# KiCad board SparkFun_GNSS_LG290P_panelized.kicad_pcb (continued)
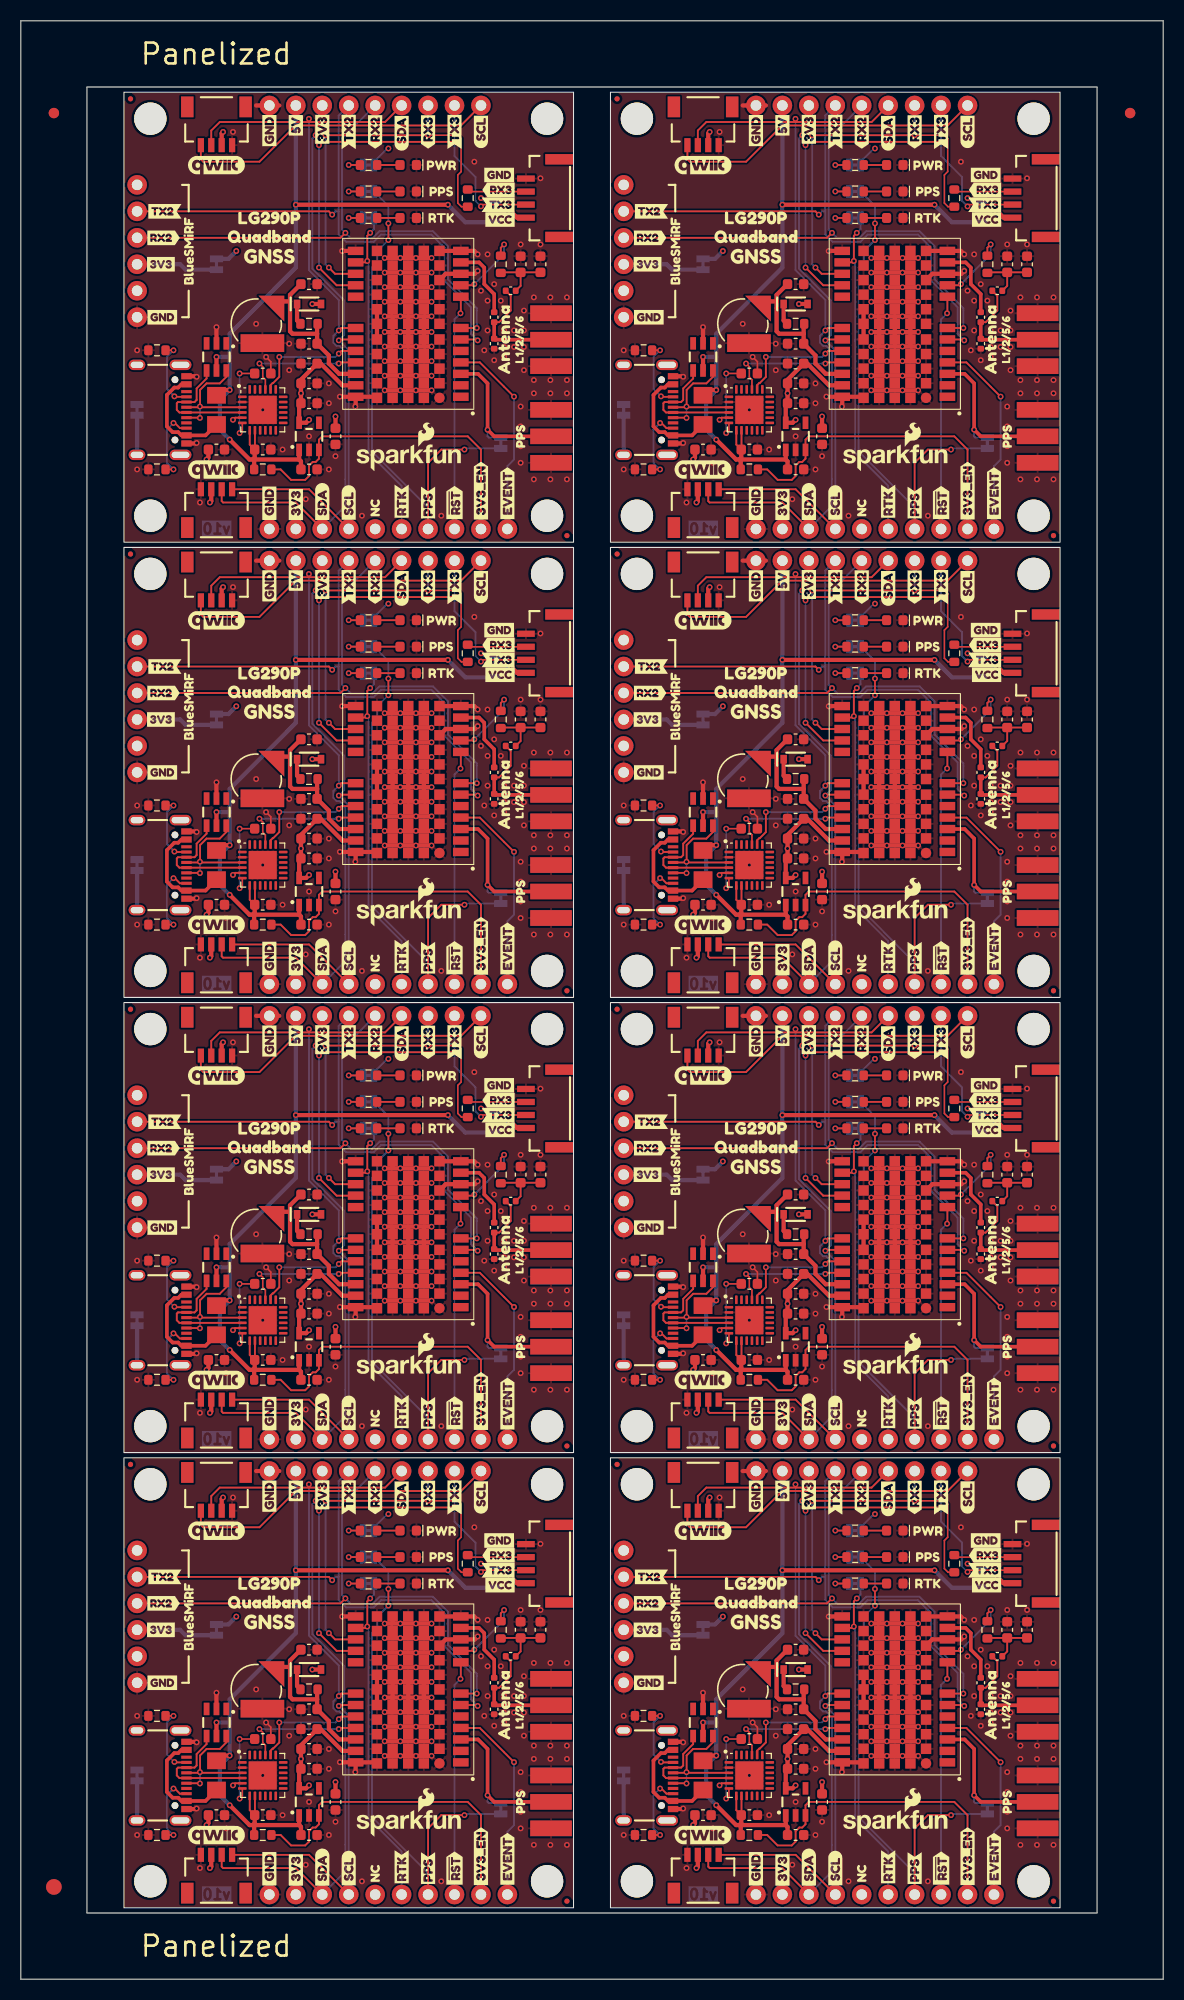
[diagram p0: board, top side]
## Routing (per net, layer and track width the routed paths; a pad name or vN(x,y) marks a point on that pad's centre or on a via; arc(x,y) is an arc through that point) (continued)
3V3_EN: length 256.6
  Top w0.178: J10#5.5 44.19,146.78 42.92,148.05 28.95,148.05 28.63,147.73 U2.3 28.63,145.91 28.31,145.59 28.03,145.59 27.68,145.24 27.68,144.24 27.31,143.87 25.95,143.87 24.95,144.88 R9.2 ; R9#2.2 71.68,13.84 72.68,12.83 74.04,12.83 74.41,13.2 74.41,14.2 74.76,14.55 75.04,14.55 75.36,14.87 U2#3.3 75.36,16.69 75.68,17.01 89.65,17.01 90.92,15.74 J10#2.5 ; R9#8.2 24.95,13.84 25.95,12.83 27.31,12.83 27.68,13.2 27.68,14.2 28.03,14.55 28.31,14.55 28.63,14.87 U2#8.3 28.63,16.69 28.95,17.01 42.92,17.01 44.19,15.74 J10#8.5 ; J10#7.5 44.19,103.1 42.92,104.37 28.95,104.37 28.63,104.05 U2#2.3 28.63,102.23 28.31,101.91 28.03,101.91 27.68,101.56 27.68,100.56 27.31,100.19 25.95,100.19 24.95,101.2 R9#5.2 ; J10#3.5 90.92,59.42 89.65,60.69 75.68,60.69 75.36,60.37 U2#6.3 75.36,58.55 75.04,58.23 74.76,58.23 74.41,57.88 74.41,56.88 74.04,56.51 72.68,56.51 71.68,57.52 R9#6.2 ; J10#6.5 44.19,59.42 42.92,60.69 28.95,60.69 28.63,60.37 U2#7.3 28.63,58.55 28.31,58.23 28.03,58.23 27.68,57.88 27.68,56.88 27.31,56.51 25.95,56.51 24.95,57.52 R9#4.2 ; R9#7.2 71.68,101.2 72.68,100.19 74.04,100.19 74.41,100.56 74.41,101.56 74.76,101.91 75.04,101.91 75.36,102.23 U2#4.3 75.36,104.05 75.68,104.37 89.65,104.37 90.92,103.1 J10.5 ; J10#4.5 90.92,146.78 89.65,148.05 75.68,148.05 75.36,147.73 U2#5.3 75.36,145.91 75.04,145.59 74.76,145.59 74.41,145.24 74.41,144.24 74.04,143.87 72.68,143.87 71.68,144.88 R9#3.2
5V: length 595.6
  Top w0.178: U4#6.8 22.48,103.12 C7.1 21.98,103.58 U4#6.7 ; U4#7.7 21.98,147.25 C7#6.1 22.48,146.81 U4#7.8 ; U4#8.7 21.98,16.22 C7#8.1 22.48,15.77 U4#8.8 ; U4#3.8 69.21,59.45 C7#5.1 68.71,59.89 U4#3.7 ; U4#5.8 69.21,103.12 C7#3.1 68.71,103.58 U4#5.7 ; U4#2.7 21.98,59.89 C7#2.1 22.48,59.45 U4#2.8 ; U4.8 69.21,15.77 C7#4.1 68.71,16.22 U4.7 ; U4#4.8 69.21,146.81 C7#7.1 68.71,147.25 U4#4.7
  Top w0.406: 22.28,14.79 22.41,14.66 22.41,13.84 ; 22.28,14.79 21.96,14.79 20.18,16.57 ; 22.28,14.79 26.73,14.79 ; 22.28,14.79 22.46,14.97 C7#8.1 ; F1#4.2 66.02,65.14 v1(66.79,65.14) ; 26.73,145.83 22.28,145.83 ; 26.73,145.83 26.9,145.65 C1#7.1 ; 26.73,145.83 26.73,145.83 U2.1 ; 22.28,145.83 22.46,146 C7#6.1 ; 22.28,145.83 21.96,145.83 20.18,147.61 ; 22.28,145.83 22.41,145.7 22.41,144.88 ; 22.41,57.52 22.41,58.34 22.28,58.47 ; 22.28,102.15 22.46,102.33 C7.1 ; 22.28,102.15 22.41,102.02 22.41,101.2 ; 22.28,102.15 26.73,102.15 ; 22.28,102.15 21.96,102.15 20.18,103.93 ; v1(66.79,108.81) 66.02,108.81 F1#6.2 ; F1#8.2 19.29,21.45 v1(20.06,21.45) ; 65.52,23.33 v1(65.52,24.63) ; 73.45,145.83 69.01,145.83 ; 73.45,145.83 73.46,145.83 73.46,146.75 ; 73.45,145.83 73.63,145.65 C1#2.1 ; 69.01,145.83 69.14,145.7 69.14,144.88 ; 69.01,145.83 68.69,145.83 66.91,147.61 ; 69.01,145.83 69.19,146 C7#7.1 ; 20.18,60.25 21.96,58.47 22.28,58.47 ; v1(26.41,126.59) v1(41.01,126.59) ; C7#5.1 69.19,58.64 69.01,58.47 ; 73.46,15.71 73.46,14.79 73.45,14.79 ; 26.73,58.47 22.28,58.47 ; 26.73,58.47 26.73,58.47 U2#7.1 ; 26.73,58.47 26.9,58.29 C1#5.1 ; 22.28,58.47 22.46,58.64 C7#2.1 ; C1.1 73.63,14.61 73.45,14.79 ; v1(20.06,65.14) 19.29,65.14 F1#3.2 ; C1#3.1 73.63,58.29 73.45,58.47 ; U1#2.5 v1(18.79,68.31) ; 73.46,103.07 73.46,102.15 73.45,102.15 ; F1.2 19.29,152.5 v1(20.06,152.5) ; 69.14,57.52 69.14,58.34 69.01,58.47 ; 73.45,14.79 69.01,14.79 ; U2#8.1 26.73,14.79 26.73,14.79 ; v1(73.14,82.92) v1(87.74,82.92) ; v1(26.41,170.28) v1(41.01,170.28) ; 69.01,102.15 69.19,102.33 C7#3.1 ; 69.01,102.15 73.45,102.15 ; 69.01,102.15 68.69,102.15 66.91,103.93 ; 69.01,102.15 69.14,102.02 69.14,101.2 ; 69.01,58.47 68.69,58.47 66.91,60.25 ; 69.01,58.47 73.45,58.47 ; 26.73,102.15 26.9,101.97 C1#6.1 ; 26.73,102.15 26.73,102.15 U2#2.1 ; v1(26.41,39.23) v1(41.01,39.23) ; v1(26.41,82.92) v1(41.01,82.92) ; F1#5.2 19.29,108.81 v1(20.06,108.81) ; 69.14,13.84 69.14,14.66 69.01,14.79 ; 26.73,14.79 26.9,14.61 C1#8.1 ; U1#6.5 v1(65.52,111.99) ; F1#7.2 66.02,152.5 v1(66.79,152.5) ; 73.45,102.15 73.63,101.97 C1#4.1 ; U1#7.5 v1(65.52,155.67) ; 73.45,58.47 73.46,58.47 73.46,59.39 ; F1#2.2 66.02,21.45 v1(66.79,21.45) ; 66.91,16.57 68.69,14.79 69.01,14.79 ; v1(73.14,39.23) v1(87.74,39.23) ; U1#3.5 v1(65.52,68.31) ; 69.01,14.79 69.19,14.97 C7#4.1 ; v1(73.14,170.28) v1(87.74,170.28) ; U1#4.5 v1(18.79,111.99) ; v1(73.14,126.59) v1(87.74,126.59) ; 18.79,23.33 v1(18.79,24.63) ; U1.5 v1(18.79,155.67)
  Bottom w0.406: 20.06,68.31 20.06,70.53 26.41,76.88 J6#2.8 ; 20.06,68.31 v1(18.79,68.31) ; 20.06,68.31 v1(20.06,65.14) 19.11,64.18 19.11,61.33 v1(20.06,60.37) ; v1(65.52,24.63) 66.79,24.63 ; 66.79,24.63 66.79,26.85 73.14,33.2 J6#6.8 ; 66.79,24.63 v1(66.79,21.45) 65.83,20.5 65.83,17.64 v1(66.79,16.69) ; v1(66.79,104.05) 65.83,105 65.83,107.86 v1(66.79,108.81) 66.79,111.99 ; v1(87.74,170.28) 89.42,168.6 JP4#8.3 ; v1(66.79,60.37) 65.83,61.33 65.83,64.18 v1(66.79,65.14) 66.79,68.31 ; v1(20.06,147.73) 19.11,148.69 19.11,151.54 v1(20.06,152.5) 20.06,155.67 ; v1(65.52,111.99) 66.79,111.99 ; 66.79,111.99 66.79,114.21 73.14,120.56 J6#7.8 ; 20.06,111.99 20.06,114.21 26.41,120.56 J6#8.8 ; 20.06,111.99 v1(20.06,108.81) 19.11,107.86 19.11,105 v1(20.06,104.05) ; 20.06,111.99 v1(18.79,111.99) ; v1(66.79,147.73) 65.83,148.69 65.83,151.54 v1(66.79,152.5) 66.79,155.67 ; v1(87.74,126.59) 89.42,124.92 JP4#6.3 ; 20.06,24.63 v1(20.06,21.45) 19.11,20.5 19.11,17.64 v1(20.06,16.69) ; 20.06,24.63 v1(18.79,24.63) ; 20.06,24.63 20.06,26.85 26.41,33.2 J6.8 ; JP4#4.3 42.69,168.6 v1(41.01,170.28) ; v1(65.52,68.31) 66.79,68.31 ; 66.79,68.31 66.79,70.53 73.14,76.88 J6#3.8 ; JP4.3 42.69,37.56 v1(41.01,39.23) ; JP4#7.3 89.42,81.24 v1(87.74,82.92) ; 20.06,155.67 20.06,157.89 26.41,164.24 J6#4.8 ; 20.06,155.67 v1(18.79,155.67) ; v1(65.52,155.67) 66.79,155.67 ; 66.79,155.67 66.79,157.89 73.14,164.24 J6#5.8 ; v1(87.74,39.23) 89.42,37.56 JP4#5.3 ; JP4#2.3 42.69,81.24 v1(41.01,82.92) ; JP4#3.3 42.69,124.92 v1(41.01,126.59)
GND: length 631.7
  Top w0.152: v1(23.55,24.63) 24.01,24.17 C10#5.1 ; 70.74,23.04 70.74,24.17 v1(70.28,24.63) ; C10#2.1 24.01,111.53 v1(23.55,111.99) ; C10.1 24.01,67.85 v1(23.55,68.31) ; v1(70.28,68.31) 70.74,67.85 70.74,66.72 ; C10#3.1 24.01,155.21 v1(23.55,155.67) ; 70.74,154.08 70.74,155.21 v1(70.28,155.67) ; 70.74,110.4 70.74,111.53 v1(70.28,111.99)
  Top w0.406: 82.43,158.15 82.34,158.06 ; 82.43,158.15 U3#2.25 82.43,159.48 82.34,159.56 ; 82.43,158.15 U3#2.25 82.43,156.75 82.34,156.67 ; 82.34,158.06 v1(81.67,158.06) ; 82.34,158.06 v1(83.17,158.06) 83.93,158.06 ; 85.52,28.53 v1(86.17,28.53) ; 85.52,28.53 v1(84.67,28.53) 83.93,28.53 ; 85.52,28.53 85.43,28.44 U3#5.25 85.43,27.11 ; 35.62,112.98 v1(36.44,112.98) 37.2,112.98 ; 35.62,112.98 35.7,113.07 U3#6.25 35.7,114.47 ; 35.62,112.98 v1(34.94,112.98) ; v1(39.44,29.92) v1(37.94,29.92) v1(36.44,29.92) v1(34.94,29.92) ; v1(81.67,77.81) 82.34,77.81 ; 82.34,77.81 v1(83.17,77.81) v1(84.67,77.81) v1(86.17,77.81) ; 82.34,77.81 82.43,77.89 U3#7.25 ; 82.34,27.03 v1(83.17,27.03) 83.93,27.03 ; 82.34,27.03 82.43,27.11 ; 82.34,27.03 v1(81.67,27.03) ; v1(39.44,21.42) v1(37.94,21.42) v1(36.44,21.42) v1(34.94,21.42) ; 38.79,114.39 v1(37.94,114.39) 37.2,114.39 ; 38.79,114.39 38.7,114.47 ; 38.79,114.39 v1(39.44,114.39) ; v1(30.85,122.15) 30.87,122.17 U3#6.13 ; v1(86.17,67.91) v1(84.67,67.91) v1(83.17,67.91) v1(81.67,67.91) ; 38.79,159.56 38.7,159.48 U3#3.25 38.7,158.15 ; 38.79,159.56 v1(37.94,159.56) 37.2,159.56 ; 38.79,159.56 v1(39.44,159.56) ; v1(43.87,121.83) 43.54,122.17 U3#6.12 U3#6.25 ; 83.93,115.89 v1(84.67,115.89) 85.52,115.89 ; 83.93,115.89 U3#4.25 83.93,114.39 ; 83.93,115.89 v1(83.17,115.89) 82.34,115.89 ; 82.34,115.89 82.43,115.8 U3#4.25 82.43,114.47 ; 82.34,115.89 v1(81.67,115.89) ; 35.7,114.47 U3#6.25 35.7,115.8 35.62,115.89 ; 35.7,114.47 35.62,114.39 ; 85.43,70.79 85.52,70.71 ; 85.43,70.79 U3#7.25 85.43,72.12 85.52,72.21 ; 85.43,70.79 U3#7.25 85.43,69.39 85.52,69.31 ; 85.52,70.71 v1(86.17,70.71) ; 85.52,70.71 v1(84.67,70.71) 83.93,70.71 ; 37.2,27.03 v1(36.44,27.03) 35.62,27.03 ; 37.2,27.03 U3#8.25 37.2,28.53 ; 37.2,27.03 U3#8.25 37.2,25.62 ; 37.2,27.03 v1(37.94,27.03) 38.79,27.03 ; v1(77.36,20.82) 77.38,20.81 U3#5.24 ; v1(81.67,120.09) v1(83.17,120.09) v1(84.67,120.09) v1(86.17,120.09) ; 35.7,158.15 U3#3.25 35.7,156.75 35.62,156.67 ; 35.7,158.15 35.62,158.06 ; 35.7,158.15 U3#3.25 35.7,159.48 35.62,159.56 ; v1(39.44,152.47) v1(37.94,152.47) v1(36.44,152.47) v1(34.94,152.47) ; v1(39.44,153.87) v1(37.94,153.87) v1(36.44,153.87) v1(34.94,153.87) ; 35.62,115.89 v1(36.44,115.89) 37.2,115.89 ; 35.62,115.89 v1(34.94,115.89) ; v1(90.6,163.93) 90.32,163.65 U3#2.10 87.53,163.65 U3#2.25 ; v1(90.6,32.89) 90.32,32.61 U3#5.10 87.53,32.61 U3#5.25 ; U1#3.2 v1(65.52,71.17) ; 22.6,136.12 J6#8.9 24.82,136.12 ; U3#3.24 34.1,151.84 U3#3.25 ; U3#3.24 32.15,150.94 v1(32.12,150.91) ; U3#3.24 30.65,151.84 v1(30.64,151.86) ; 37.2,28.53 v1(36.44,28.53) 35.62,28.53 ; 37.2,28.53 v1(37.94,28.53) 38.79,28.53 ; 83.93,72.21 U3#7.25 83.93,70.71 ; 83.93,72.21 v1(83.17,72.21) 82.34,72.21 ; 83.93,72.21 v1(84.67,72.21) 85.52,72.21 ; v1(86.17,110.19) v1(84.67,110.19) v1(83.17,110.19) v1(81.67,110.19) ; 37.2,25.62 v1(37.94,25.62) 38.79,25.62 ; 37.2,25.62 v1(36.44,25.62) 35.62,25.62 ; v1(39.44,76.41) v1(37.94,76.41) v1(36.44,76.41) v1(34.94,76.41) ; 83.93,156.67 U3#2.25 83.93,158.06 ; 83.93,156.67 v1(84.67,156.67) 85.52,156.67 ; 83.93,156.67 v1(83.17,156.67) 82.34,156.67 ; U3#5.24 80.83,20.81 U3#5.25 ; U3#5.24 78.88,19.9 v1(78.85,19.87) ; 37.2,112.98 U3#6.25 37.2,114.39 ; 37.2,112.98 v1(37.94,112.98) 38.79,112.98 ; v1(34.94,22.83) v1(36.44,22.83) v1(37.94,22.83) v1(39.44,22.83) ; 85.52,112.98 85.43,113.07 U3#4.25 85.43,114.47 ; 85.52,112.98 v1(86.17,112.98) ; 85.52,112.98 v1(84.67,112.98) 83.93,112.98 ; v1(16.88,153.77) 16.83,153.81 J1#6.GND ; v1(34.94,31.33) v1(36.44,31.33) v1(37.94,31.33) v1(39.44,31.33) ; 69.33,48.76 J6#6.9 71.55,48.76 ; 37.2,114.39 v1(36.44,114.39) 35.62,114.39 ; 37.2,114.39 U3#6.25 37.2,115.89 ; 83.93,28.53 U3#5.25 83.93,27.03 ; 83.93,28.53 v1(83.17,28.53) 82.34,28.53 ; v1(16.88,60.06) 16.83,60.01 J1#2.GND ; v1(34.94,121.48) 35.62,121.48 ; 35.62,121.48 v1(36.44,121.48) v1(37.94,121.48) v1(39.44,121.48) ; 35.62,121.48 35.7,121.57 U3#6.25 ; J1#3.GND 63.56,66.46 v1(63.61,66.41) ; 71.55,136.12 J6#7.9 69.33,136.12 ; U3#6.24 32.15,107.26 v1(32.12,107.23) ; U3#6.24 30.65,108.17 v1(30.64,108.18) ; U3#6.24 34.1,108.17 U3#6.25 ; v1(39.44,120.09) v1(37.94,120.09) v1(36.44,120.09) v1(34.94,120.09) ; U3.25 35.7,77.89 35.62,77.81 ; U3#4.25 82.43,121.57 82.34,121.48 ; 38.7,114.47 U3#6.25 38.7,115.8 38.79,115.89 ; 38.7,114.47 U3#6.25 38.7,113.07 38.79,112.98 ; v1(86.17,65.11) v1(84.67,65.11) v1(83.17,65.11) v1(81.67,65.11) ; 37.2,159.56 U3#3.25 37.2,158.06 ; 37.2,159.56 v1(36.44,159.56) 35.62,159.56 ; 85.52,159.56 85.43,159.48 U3#2.25 85.43,158.15 ; 85.52,159.56 v1(86.17,159.56) ; 85.52,159.56 v1(84.67,159.56) 83.93,159.56 ; 35.62,72.21 v1(36.44,72.21) 37.2,72.21 ; 35.62,72.21 35.7,72.12 U3.25 35.7,70.79 ; 35.62,72.21 v1(34.94,72.21) ; 83.93,70.71 U3#7.25 83.93,69.31 ; 83.93,70.71 v1(83.17,70.71) 82.34,70.71 ; v1(90.6,120.25) 90.32,119.97 U3#4.10 87.53,119.97 U3#4.25 ; 82.34,112.98 82.43,113.07 U3#4.25 82.43,114.47 ; 82.34,112.98 v1(81.67,112.98) ; 82.34,112.98 v1(83.17,112.98) 83.93,112.98 ; U3#2.25 U3#2.25 U3#2.25 ; v1(86.17,21.42) v1(84.67,21.42) v1(83.17,21.42) v1(81.67,21.42) ; v1(81.67,31.33) v1(83.17,31.33) v1(84.67,31.33) v1(86.17,31.33) ; 83.93,159.56 v1(83.17,159.56) 82.34,159.56 ; 83.93,159.56 U3#2.25 83.93,158.06 ; U3#8.24 32.15,19.9 v1(32.12,19.87) ; U3#8.24 30.65,20.81 v1(30.64,20.82) ; U3#8.24 34.1,20.81 U3#8.25 ; 38.79,156.67 v1(39.44,156.67) ; 38.79,156.67 v1(37.94,156.67) 37.2,156.67 ; 38.79,156.67 38.7,156.75 U3#3.25 38.7,158.15 ; v1(43.87,34.47) 43.54,34.81 U3#8.12 U3#8.25 ; 37.2,156.67 U3#3.25 37.2,158.06 ; 37.2,156.67 v1(36.44,156.67) 35.62,156.67 ; 85.52,156.67 v1(86.17,156.67) ; 85.52,156.67 85.43,156.75 U3#2.25 85.43,158.15 ; U1#2.2 v1(18.79,71.17) ; 38.79,112.98 v1(39.44,112.98) ; v1(34.94,110.19) v1(36.44,110.19) v1(37.94,110.19) v1(39.44,110.19) ; U3#7.25 80.83,64.48 U3#7.24 ; v1(78.85,107.23) 78.88,107.26 U3#4.24 ; v1(81.67,159.56) 82.34,159.56 ; v1(90.6,78.15) 90.27,78.48 U3#7.12 U3#7.25 ; v1(86.17,34.12) v1(84.67,34.12) v1(83.17,34.12) 82.34,34.12 ; v1(81.67,117.28) v1(83.17,117.28) v1(84.67,117.28) v1(86.17,117.28) ; 82.34,165.17 v1(83.17,165.17) v1(84.67,165.17) v1(86.17,165.17) ; 82.34,165.17 v1(81.67,165.17) ; 82.34,165.17 82.43,165.25 U3#2.25 ; 83.93,112.98 U3#4.25 83.93,114.39 ; 35.62,159.56 v1(34.94,159.56) ; 37.2,158.06 v1(36.44,158.06) 35.62,158.06 ; 37.2,158.06 v1(37.94,158.06) 38.79,158.06 ; 83.93,158.06 v1(84.67,158.06) 85.52,158.06 ; U3#6.25 40.8,119.97 U3#6.10 43.59,119.97 v1(43.87,120.25) ; v1(86.17,153.87) v1(84.67,153.87) v1(83.17,153.87) v1(81.67,153.87) ; 82.34,28.53 82.43,28.44 U3#5.25 82.43,27.11 ; 82.34,28.53 v1(81.67,28.53) ; v1(34.94,162.37) v1(36.44,162.37) v1(37.94,162.37) v1(39.44,162.37) ; U3#7.13 77.6,78.48 v1(77.58,78.47) ; 37.2,69.31 v1(36.44,69.31) 35.62,69.31 ; 37.2,69.31 U3.25 37.2,70.71 ; 37.2,69.31 v1(37.94,69.31) 38.79,69.31 ; v1(77.36,64.5) 77.38,64.48 U3#7.24 ; 69.33,92.44 J6#3.9 71.55,92.44 ; 82.43,114.47 82.34,114.39 ; U3#6.25 U3#6.25 U3#6.25 ; v1(81.67,76.41) v1(83.17,76.41) v1(84.67,76.41) v1(86.17,76.41) ; v1(63.61,153.77) 63.56,153.81 J1#5.GND ; v1(86.17,75) v1(84.67,75) v1(83.17,75) v1(81.67,75) ; 37.2,72.21 v1(37.94,72.21) 38.79,72.21 ; 37.2,72.21 U3.25 37.2,70.71 ; U3#5.25 82.43,34.21 82.34,34.12 ; 38.79,25.62 v1(39.44,25.62) ; 38.79,25.62 38.7,25.71 U3#8.25 38.7,27.11 ; 83.93,25.62 U3#5.25 83.93,27.03 ; 83.93,25.62 v1(84.67,25.62) 85.52,25.62 ; 83.93,25.62 v1(83.17,25.62) 82.34,25.62 ; v1(77.36,151.86) 77.38,151.84 U3#2.24 ; J1.GND 63.56,16.33 v1(63.61,16.38) ; v1(86.17,163.76) v1(84.67,163.76) v1(83.17,163.76) v1(81.67,163.76) ; v1(90.6,121.83) 90.27,122.17 U3#4.12 U3#4.25 ; 24.82,179.8 J6#4.9 22.6,179.8 ; v1(63.61,110.09) 63.56,110.14 J1#7.GND ; v1(81.67,156.67) 82.34,156.67 ; v1(86.17,73.61) v1(84.67,73.61) v1(83.17,73.61) v1(81.67,73.61) ; 82.43,70.79 U3#7.25 82.43,72.12 82.34,72.21 ; 82.43,70.79 82.34,70.71 ; 82.43,70.79 U3#7.25 82.43,69.39 82.34,69.31 ; v1(39.44,163.76) v1(37.94,163.76) v1(36.44,163.76) v1(34.94,163.76) ; 85.52,72.21 v1(86.17,72.21) ; v1(34.94,158.06) 35.62,158.06 ; 35.7,70.79 35.62,70.71 ; 35.7,70.79 U3.25 35.7,69.39 35.62,69.31 ; 35.62,70.71 v1(34.94,70.71) ; 35.62,70.71 v1(36.44,70.71) 37.2,70.71 ; v1(39.44,160.97) v1(37.94,160.97) v1(36.44,160.97) v1(34.94,160.97) ; U3#7.25 U3#7.25 U3#7.25 ; U3#4.24 77.38,108.17 v1(77.36,108.18) ; U3#4.24 80.83,108.17 U3#4.25 ; 35.62,156.67 v1(34.94,156.67) ; 83.93,27.03 v1(84.67,27.03) 85.52,27.03 ; 37.2,115.89 v1(37.94,115.89) 38.79,115.89 ; v1(30.85,78.47) 30.87,78.48 U3.13 ; 38.79,28.53 38.7,28.44 U3#8.25 38.7,27.11 ; 38.79,28.53 v1(39.44,28.53) ; U3#7.24 78.88,63.58 v1(78.85,63.55) ; 82.34,70.71 v1(81.67,70.71) ; 35.7,27.11 U3#8.25 35.7,25.71 35.62,25.62 ; 35.7,27.11 U3#8.25 35.7,28.44 35.62,28.53 ; 35.7,27.11 35.62,27.03 ; 85.43,114.47 85.52,114.39 ; 85.43,114.47 U3#4.25 85.43,115.8 85.52,115.89 ; 85.52,114.39 v1(84.67,114.39) 83.93,114.39 ; 85.52,114.39 v1(86.17,114.39) ; v1(39.44,108.78) v1(37.94,108.78) v1(36.44,108.78) v1(34.94,108.78) ; 38.7,27.11 38.79,27.03 ; v1(81.67,29.92) v1(83.17,29.92) v1(84.67,29.92) v1(86.17,29.92) ; U3#4.13 77.6,122.17 v1(77.58,122.15) ; 85.52,115.89 v1(86.17,115.89) ; U3#4.25 U3#4.25 U3#4.25 ; 69.33,179.8 J6#5.9 71.55,179.8 ; v1(86.17,121.48) v1(84.67,121.48) v1(83.17,121.48) 82.34,121.48 ; v1(86.17,111.59) v1(84.67,111.59) v1(83.17,111.59) v1(81.67,111.59) ; 37.2,70.71 v1(37.94,70.71) 38.79,70.71 ; v1(81.67,25.62) 82.34,25.62 ; 82.34,25.62 82.43,25.71 U3#5.25 82.43,27.11 ; v1(86.17,108.78) v1(84.67,108.78) v1(83.17,108.78) v1(81.67,108.78) ; J1#2.GND 16.83,66.46 v1(16.88,66.41) ; v1(77.58,34.79) 77.6,34.81 U3#5.13 ; 35.62,114.39 v1(34.94,114.39) ; U3.24 30.65,64.48 v1(30.64,64.5) ; U3.24 34.1,64.48 U3.25 ; U3.24 32.15,63.58 v1(32.12,63.55) ; 38.79,158.06 v1(39.44,158.06) ; 38.79,158.06 38.7,158.15 ; 38.79,27.03 v1(39.44,27.03) ; v1(39.44,73.61) v1(37.94,73.61) v1(36.44,73.61) v1(34.94,73.61) ; v1(39.44,117.28) v1(37.94,117.28) v1(36.44,117.28) v1(34.94,117.28) ; 38.79,69.31 38.7,69.39 U3.25 38.7,70.79 ; 38.79,69.31 v1(39.44,69.31) ; 35.62,25.62 v1(34.94,25.62) ; 35.62,69.31 v1(34.94,69.31) ; v1(81.67,114.39) 82.34,114.39 ; 82.34,114.39 v1(83.17,114.39) 83.93,114.39 ; v1(39.44,24.23) v1(37.94,24.23) v1(36.44,24.23) v1(34.94,24.23) ; 35.62,27.03 v1(34.94,27.03) ; U3.25 U3.25 U3.25 ; v1(39.44,111.59) v1(37.94,111.59) v1(36.44,111.59) v1(34.94,111.59) ; J1#4.GND 16.83,110.14 v1(16.88,110.09) ; 35.62,34.12 v1(36.44,34.12) v1(37.94,34.12) v1(39.44,34.12) ; 35.62,34.12 v1(34.94,34.12) ; 35.62,34.12 35.7,34.21 U3#8.25 ; v1(81.67,155.27) v1(83.17,155.27) v1(84.67,155.27) v1(86.17,155.27) ; J1#5.GND 63.56,147.37 v1(63.61,147.41) ; 35.62,77.81 v1(36.44,77.81) v1(37.94,77.81) v1(39.44,77.81) ; 35.62,77.81 v1(34.94,77.81) ; v1(81.67,160.97) v1(83.17,160.97) v1(84.67,160.97) v1(86.17,160.97) ; 83.93,69.31 v1(83.17,69.31) 82.34,69.31 ; 83.93,69.31 v1(84.67,69.31) 85.52,69.31 ; v1(34.94,67.91) v1(36.44,67.91) v1(37.94,67.91) v1(39.44,67.91) ; 85.52,158.06 85.43,158.15 ; 85.52,158.06 v1(86.17,158.06) ; 82.34,69.31 v1(81.67,69.31) ; v1(34.94,32.73) v1(36.44,32.73) v1(37.94,32.73) v1(39.44,32.73) ; v1(30.85,165.83) 30.87,165.84 U3#3.13 ; v1(86.17,162.37) v1(84.67,162.37) v1(83.17,162.37) v1(81.67,162.37) ; 38.7,70.79 U3.25 38.7,72.12 38.79,72.21 ; 38.7,70.79 38.79,70.71 ; J1#8.GND 16.83,22.78 v1(16.88,22.73) ; 82.34,121.48 v1(81.67,121.48) ; v1(34.94,155.27) v1(36.44,155.27) v1(37.94,155.27) v1(39.44,155.27) ; J1#4.GND 16.83,103.69 v1(16.88,103.73) ; U3#5.25 U3#5.25 U3#5.25 ; J1#7.GND 63.56,103.69 v1(63.61,103.73) ; 22.6,92.44 J6#2.9 24.82,92.44 ; 82.34,72.21 v1(81.67,72.21) ; U3#7.25 87.53,76.28 U3#7.10 90.32,76.28 v1(90.6,76.56) ; v1(16.88,147.41) 16.83,147.37 J1#6.GND ; v1(81.67,66.5) v1(83.17,66.5) v1(84.67,66.5) v1(86.17,66.5) ; U3#2.24 80.83,151.84 U3#2.25 ; U3#2.24 78.88,150.94 v1(78.85,150.91) ; v1(86.17,24.23) v1(84.67,24.23) v1(83.17,24.23) v1(81.67,24.23) ; 38.79,72.21 v1(39.44,72.21) ; 85.43,27.11 85.52,27.03 ; 85.43,27.11 U3#5.25 85.43,25.71 85.52,25.62 ; U3#2.13 77.6,165.84 v1(77.58,165.83) ; 38.79,70.71 v1(39.44,70.71) ; v1(39.44,65.11) v1(37.94,65.11) v1(36.44,65.11) v1(34.94,65.11) ; 24.82,48.76 J6.9 22.6,48.76 ; U1.2 v1(18.79,158.53) ; 85.52,69.31 v1(86.17,69.31) ; U3#3.25 40.8,163.65 U3#3.10 43.59,163.65 v1(43.87,163.93) ; J1#8.GND 16.83,16.33 v1(16.88,16.38) ; U3#3.25 U3#3.25 U3#3.25 ; U1#4.2 v1(18.79,114.85) ; U3#2.25 U3#2.12 90.27,165.84 v1(90.6,165.51) ; v1(43.87,76.56) 43.59,76.28 U3.10 40.8,76.28 U3.25 ; U1#6.2 v1(65.52,114.85) ; v1(63.61,22.73) 63.56,22.78 J1.GND ; v1(81.67,34.12) 82.34,34.12 ; v1(63.61,60.06) 63.56,60.01 J1#3.GND ; U1#8.2 v1(18.79,27.49) ; U3.25 U3.12 43.54,78.48 v1(43.87,78.15) ; 38.79,115.89 v1(39.44,115.89) ; 85.52,25.62 v1(86.17,25.62) ; U3#8.13 30.87,34.81 v1(30.85,34.79) ; v1(86.17,152.47) v1(84.67,152.47) v1(83.17,152.47) v1(81.67,152.47) ; v1(43.87,165.51) 43.54,165.84 U3#3.12 U3#3.25 ; U1#7.2 v1(65.52,158.53) ; 35.62,28.53 v1(34.94,28.53) ; v1(86.17,32.73) v1(84.67,32.73) v1(83.17,32.73) v1(81.67,32.73) ; v1(86.17,118.69) v1(84.67,118.69) v1(83.17,118.69) v1(81.67,118.69) ; v1(39.44,118.69) v1(37.94,118.69) v1(36.44,118.69) v1(34.94,118.69) ; v1(34.94,165.17) 35.62,165.17 ; 35.62,165.17 v1(36.44,165.17) v1(37.94,165.17) v1(39.44,165.17) ; 35.62,165.17 35.7,165.25 U3#3.25 ; 85.52,27.03 v1(86.17,27.03) ; v1(34.94,66.5) v1(36.44,66.5) v1(37.94,66.5) v1(39.44,66.5) ; U3#8.25 U3#8.25 U3#8.25 ; U1#5.2 v1(65.52,27.49) ; v1(90.6,34.47) 90.27,34.81 U3#5.12 U3#5.25 ; v1(34.94,75) v1(36.44,75) v1(37.94,75) v1(39.44,75) ; v1(81.67,22.83) v1(83.17,22.83) v1(84.67,22.83) v1(86.17,22.83) ; U3#8.25 40.8,32.61 U3#8.10 43.59,32.61 v1(43.87,32.89)
  vias: v1(11.17,156.31) v1(11.17,144.88) v1(11.17,112.62) v1(11.17,101.2) v1(11.17,68.94) v1(11.17,57.52) v1(11.17,25.27) v1(11.17,13.84) v1(17.2,141.7) v1(17.2,98.02) v1(17.2,54.34) v1(17.2,10.66) v1(19.74,145.51) v1(19.74,101.83) v1(19.74,58.15) v1(19.74,14.47) v1(20.38,177.26) v1(20.38,133.58) v1(20.38,89.9) v1(20.38,46.22) v1(22.6,158.84) v1(22.6,115.17) v1(22.6,71.48) v1(22.6,27.81) v1(23.23,150.59) v1(23.23,106.91) v1(23.23,63.23) v1(23.23,19.55) v1(25.14,146.78) v1(25.14,103.1) v1(25.14,59.42) v1(25.14,15.74) v1(25.77,156.94) v1(25.77,154.4) v1(25.77,113.26) v1(25.77,110.72) v1(25.77,69.58) v1(25.77,67.04) v1(25.77,25.9) v1(25.77,23.36) v1(27.36,142.02) v1(27.36,98.34) v1(27.36,54.66) v1(27.36,10.98) v1(27.68,148.05) v1(27.68,104.37) v1(27.68,60.69) v1(27.68,17.01) v1(29.58,153.13) v1(29.58,151.22) v1(29.58,144.88) v1(29.58,109.45) v1(29.58,107.55) v1(29.58,101.2) v1(29.58,65.77) v1(29.58,63.87) v1(29.58,57.52) v1(29.58,22.09) v1(29.58,20.19) v1(29.58,13.84) v1(30.22,146.15) v1(30.22,102.47) v1(30.22,58.78) v1(30.22,15.11) v1(32.76,140.43) v1(32.76,96.75) v1(32.76,53.07) v1(32.76,9.39) v1(40.38,140.43) v1(40.38,96.75) v1(40.38,53.07) v1(40.38,9.39) v1(43.55,174.4) v1(43.55,130.72) v1(43.55,87.04) v1(43.55,43.36) v1(44.19,162.02) v1(44.19,118.34) v1(44.19,74.66) v1(44.19,30.98) v1(44.51,156.31) v1(44.51,112.62) v1(44.51,68.94) v1(44.51,25.27) v1(44.82,165.51) v1(44.82,161.07) v1(44.82,158.21) v1(44.82,121.83) v1(44.82,117.39) v1(44.82,114.53) v1(44.82,78.15) v1(44.82,73.71) v1(44.82,70.85) v1(44.82,34.47) v1(44.82,30.03) v1(44.82,27.17) v1(45.46,162.66) v1(45.46,155.35) v1(45.46,118.98) v1(45.46,111.67) v1(45.46,75.3) v1(45.46,67.99) v1(45.46,31.62) v1(45.46,24.31) v1(46.09,161.07) v1(46.09,117.39) v1(46.09,73.71) v1(46.09,30.03) v1(46.41,158.21) v1(46.41,156.62) v1(46.41,155.67) v1(46.41,114.53) v1(46.41,112.94) v1(46.41,111.99) v1(46.41,70.85) v1(46.41,69.26) v1(46.41,68.31) v1(46.41,27.17) v1(46.41,25.58) v1(46.41,24.63) v1(47.36,158.21) v1(47.36,156.62) v1(47.36,114.53) v1(47.36,112.94) v1(47.36,70.85) v1(47.36,69.26) v1(47.36,27.17) v1(47.36,25.58) v1(48,166.47) v1(48,150.91) v1(48,149) v1(48,147.1) v1(48,145.51) v1(48,122.78) v1(48,107.23) v1(48,105.32) v1(48,103.42) v1(48,101.83) v1(48,79.11) v1(48,63.55) v1(48,61.64) v1(48,59.74) v1(48,58.15) v1(48,35.42) v1(48,19.87) v1(48,17.96) v1(48,16.06) v1(48,14.47) v1(48.32,160.12) v1(48.32,158.21) v1(48.32,156.62) v1(48.32,154.4) v1(48.32,116.44) v1(48.32,114.53) v1(48.32,112.94) v1(48.32,110.72) v1(48.32,72.75) v1(48.32,70.85) v1(48.32,69.26) v1(48.32,67.04) v1(48.32,29.08) v1(48.32,27.17) v1(48.32,25.58) v1(48.32,23.36) v1(49.27,161.38) v1(49.27,153.45) v1(49.27,152.18) v1(49.27,143.92) v1(49.27,117.7) v1(49.27,109.77) v1(49.27,108.5) v1(49.27,100.24) v1(49.27,74.03) v1(49.27,66.09) v1(49.27,64.82) v1(49.27,56.56) v1(49.27,30.34) v1(49.27,22.41) v1(49.27,21.14) v1(49.27,12.88) v1(49.9,172.81) v1(49.9,166.47) v1(49.9,129.13) v1(49.9,122.78) v1(49.9,85.46) v1(49.9,79.11) v1(49.9,41.78) v1(49.9,35.42) v1(50.86,161.38) v1(50.86,153.45) v1(50.86,152.18) v1(50.86,143.92) v1(50.86,117.7) v1(50.86,109.77) v1(50.86,108.5) v1(50.86,100.24) v1(50.86,74.03) v1(50.86,66.09) v1(50.86,64.82) v1(50.86,56.56) v1(50.86,30.34) v1(50.86,22.41) v1(50.86,21.14) v1(50.86,12.88) v1(52.44,161.38) v1(52.44,153.45) v1(52.44,152.18) v1(52.44,143.92) v1(52.44,117.7) v1(52.44,109.77) v1(52.44,108.5) v1(52.44,100.24) v1(52.44,74.03) v1(52.44,66.09) v1(52.44,64.82) v1(52.44,56.56) v1(52.44,30.34) v1(52.44,22.41) v1(52.44,21.14) v1(52.44,12.88) v1(57.9,156.31) v1(57.9,144.88) v1(57.9,112.62) v1(57.9,101.2) v1(57.9,68.94) v1(57.9,57.52) v1(57.9,25.27) v1(57.9,13.84) v1(63.93,141.7) v1(63.93,98.02) v1(63.93,54.34) v1(63.93,10.66) v1(66.47,145.51) v1(66.47,101.83) v1(66.47,58.15) v1(66.47,14.47) v1(67.1,177.26) v1(67.1,133.58) v1(67.1,89.9) v1(67.1,46.22) v1(69.33,158.84) v1(69.33,115.17) v1(69.33,71.48) v1(69.33,27.81) v1(69.96,150.59) v1(69.96,106.91) v1(69.96,63.23) v1(69.96,19.55) v1(71.87,146.78) v1(71.87,103.1) v1(71.87,59.42) v1(71.87,15.74) v1(72.5,156.94) v1(72.5,154.4) v1(72.5,113.26) v1(72.5,110.72) v1(72.5,69.58) v1(72.5,67.04) v1(72.5,25.9) v1(72.5,23.36) v1(74.09,142.02) v1(74.09,98.34) v1(74.09,54.66) v1(74.09,10.98) v1(74.41,148.05) v1(74.41,104.37) v1(74.41,60.69) v1(74.41,17.01) v1(76.31,153.13) v1(76.31,151.22) v1(76.31,144.88) v1(76.31,109.45) v1(76.31,107.55) v1(76.31,101.2) v1(76.31,65.77) v1(76.31,63.87) v1(76.31,57.52) v1(76.31,22.09) v1(76.31,20.19) v1(76.31,13.84) v1(76.95,146.15) v1(76.95,102.47) v1(76.95,58.78) v1(76.95,15.11) v1(79.49,140.43) v1(79.49,96.75) v1(79.49,53.07) v1(79.49,9.39) v1(87.11,140.43) v1(87.11,96.75) v1(87.11,53.07) v1(87.11,9.39) v1(90.28,174.4) v1(90.28,130.72) v1(90.28,87.04) v1(90.28,43.36) v1(90.92,162.02) v1(90.92,118.34) v1(90.92,74.66) v1(90.92,30.98) v1(91.23,156.31) v1(91.23,112.62) v1(91.23,68.94) v1(91.23,25.27) v1(91.55,165.51) v1(91.55,161.07) v1(91.55,158.21) v1(91.55,121.83) v1(91.55,117.39) v1(91.55,114.53) v1(91.55,78.15) v1(91.55,73.71) v1(91.55,70.85) v1(91.55,34.47) v1(91.55,30.03) v1(91.55,27.17) v1(92.19,162.66) v1(92.19,155.35) v1(92.19,118.98) v1(92.19,111.67) v1(92.19,75.3) v1(92.19,67.99) v1(92.19,31.62) v1(92.19,24.31) v1(92.82,161.07) v1(92.82,117.39) v1(92.82,73.71) v1(92.82,30.03) v1(93.14,158.21) v1(93.14,156.62) v1(93.14,155.67) v1(93.14,114.53) v1(93.14,112.94) v1(93.14,111.99) v1(93.14,70.85) v1(93.14,69.26) v1(93.14,68.31) v1(93.14,27.17) v1(93.14,25.58) v1(93.14,24.63) v1(94.09,158.21) v1(94.09,156.62) v1(94.09,114.53) v1(94.09,112.94) v1(94.09,70.85) v1(94.09,69.26) v1(94.09,27.17) v1(94.09,25.58) v1(94.73,166.47) v1(94.73,150.91) v1(94.73,149) v1(94.73,147.1) v1(94.73,145.51) v1(94.73,122.78) v1(94.73,107.23) v1(94.73,105.32) v1(94.73,103.42) v1(94.73,101.83) v1(94.73,79.11) v1(94.73,63.55) v1(94.73,61.64) v1(94.73,59.74) v1(94.73,58.15) v1(94.73,35.42) v1(94.73,19.87) v1(94.73,17.96) v1(94.73,16.06) v1(94.73,14.47) v1(95.04,160.12) v1(95.04,158.21) v1(95.04,156.62) v1(95.04,154.4) v1(95.04,116.44) v1(95.04,114.53) v1(95.04,112.94) v1(95.04,110.72) v1(95.04,72.75) v1(95.04,70.85) v1(95.04,69.26) v1(95.04,67.04) v1(95.04,29.08) v1(95.04,27.17) v1(95.04,25.58) v1(95.04,23.36) v1(96,161.38) v1(96,153.45) v1(96,152.18) v1(96,143.92) v1(96,117.7) v1(96,109.77) v1(96,108.5) v1(96,100.24) v1(96,74.03) v1(96,66.09) v1(96,64.82) v1(96,56.56) v1(96,30.34) v1(96,22.41) v1(96,21.14) v1(96,12.88) v1(96.63,172.81) v1(96.63,166.47) v1(96.63,129.13) v1(96.63,122.78) v1(96.63,85.46) v1(96.63,79.11) v1(96.63,41.78) v1(96.63,35.42) v1(97.58,161.38) v1(97.58,153.45) v1(97.58,152.18) v1(97.58,143.92) v1(97.58,117.7) v1(97.58,109.77) v1(97.58,108.5) v1(97.58,100.24) v1(97.58,74.03) v1(97.58,66.09) v1(97.58,64.82) v1(97.58,56.56) v1(97.58,30.34) v1(97.58,22.41) v1(97.58,21.14) v1(97.58,12.88) v1(99.17,161.38) v1(99.17,153.45) v1(99.17,152.18) v1(99.17,143.92) v1(99.17,117.7) v1(99.17,109.77) v1(99.17,108.5) v1(99.17,100.24) v1(99.17,74.03) v1(99.17,66.09) v1(99.17,64.82) v1(99.17,56.56) v1(99.17,30.34) v1(99.17,22.41) v1(99.17,21.14) v1(99.17,12.88)